# Altium PCB PCB - Assignment 1.PcbDoc (part 2 of 2)
Units mm, origin at the board's own origin, x right, y up, seen from the top; angles counter-clockwise.
Board outline 50 x 50 mm, 4 copper layers (Signal Layer 1, Top GND, Bottom GND, Signal Layer 2), stack 1.586 mm thick; 139 components, 80 nets, 398 pads, 284 vias.
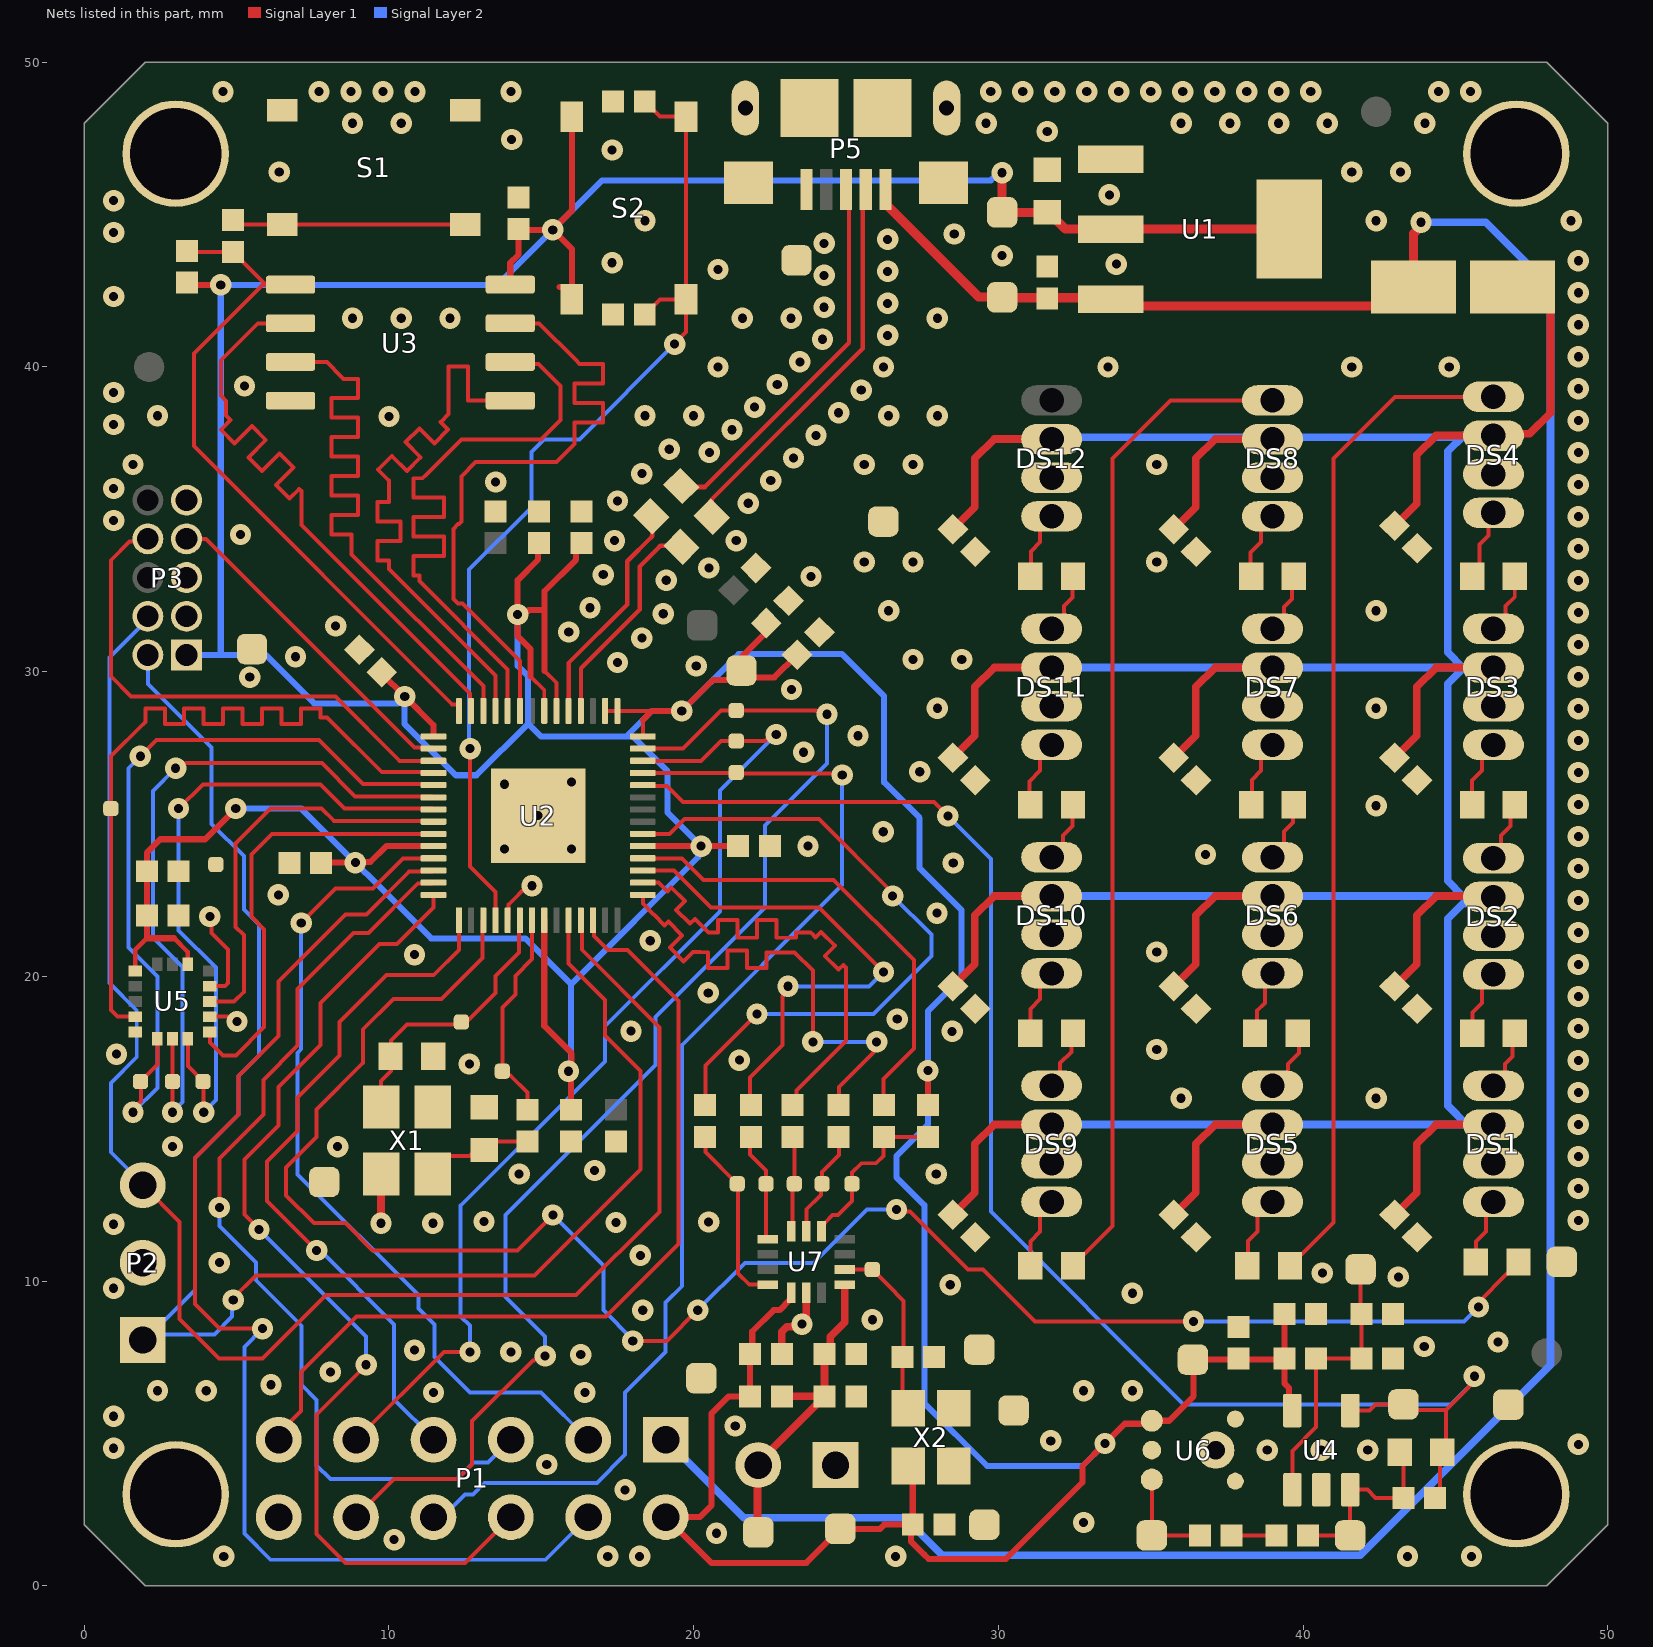
[diagram p4: the nets of this part, all layers, seen from the top]

## Via types
v1: diameter 0.7, hole 0.3, Signal Layer 1 to Signal Layer 2, 284 vias

## Nets (pads, with @x,y where several pads share a name; then routed paths per layer and width w, separated by ;. In a path a pad name is that pad's centre, name@x,y a point inside that pad or via, vN(x,y) a via of type N, cw(c..) or ccw(c..) an arc to the next point about the centre after c; other vN are vias at no path point) (continued)
+3V3: C1.2 C3.2 C4.2 C5.2 C6.2 C7.2 C8.2 C9.2 C10.2 C14.2 C19.2 C20.1 C21.2 C23.2 C24.2 C29.2 P1.2 P3.1 R2.2 R10.2 R17.2 R36.1 S2.A S2.B T2.1 T5.1 T14.1 T25.1 U1.2 U1.4 U2.1 U2.10 U2.22 U2.33 U2.42 U2.43 U2.44 U2.48 U2.49 U3.8 U4.5 U5.1 U5.14 U6.4 U7.5 X2.4 | length 245.3
  Signal Layer 1 w0.131: 14.65,29.847 15.096,29.402 U2.49@15.096,28.71 ; 15.104,30.028 15.496,29.636 U2.48@15.496,28.71 ; U2.44@17.096,28.71 U2.43@17.496,28.71 18.631,28.71 ; U2.42@18.331,27.875 18.331,28.41
  Signal Layer 1 w0.15: U5.1@1.671,20.175 1.671,20.87 2.051,21.25 ; 2.946,21.25 3.388,20.808 U5.14@3.388,20.408
  Signal Layer 1 w0.2: C20.1@2.051,23.428 C21.2@2.051,21.998 2.051,21.25 2.946,21.25 ; C20.1@2.051,23.448 2.051,24.053 2.498,24.5 3.964,24.5 v1(4.971,25.506) ; R10.2@3.375,42.77 3.45,42.695 v1(4.479,42.695) ; U5.14@3.388,20.408 U5.14@3.396,20.4 ; C5.2@7.77,23.723 7.777,23.731 v1(8.895,23.731) 8.917,23.753 9.392,23.753 9.914,24.275 U2.10@11.461,24.275 ; C4.2@9.763,29.982 9.763,29.937 v1(10.515,29.186) 11.461,28.24 U2.1@11.461,27.875 ; U3.8@13.98,42.705 13.98,43.42 14.25,43.69 C14.2@14.25,44.53 14.28,44.5 v1(15.375,44.5) ; v1@14.221,31.953 14.221,33.007 14.891,33.677 14.891,34.186 C10.2@14.925,34.22 ; 14.65,29.847 14.65,30.74 14.221,31.169 v1(14.221,31.874) 14.316,31.969 14.537,31.969 14.588,32.02 15.104,32.02 ; U2.22@15.096,21.84 15.096,20.925 15.096,18.371 15.996,17.471 v1@15.996,16.885 ; 15.104,30.028 15.104,32.02 ; 15.6,42.62 15.725,42.62 S2.A@16,42.345 ; v1(15.893,16.885) v1@15.996,16.885 ; C6.2@15.978,15.621 15.978,16.8 15.996,16.817 v1@15.996,16.885 ; S2.A@16,42.22 S2.A@16,42.345 ; S2.B@16,48.22 16,45.125 v1(15.375,44.5) ; C9.2@16.325,34.22 16.142,34.037 16.142,33.677 15.104,32.638 15.104,32.02 ; U2.33@18.331,24.275 v1(20.246,24.275) C7.2@21.459,24.275 ; 18.331,28.41 18.631,28.71 19.61,28.71 v1(19.611,28.709) 20.635,29.733 21.182,29.733 21.347,29.899 T5.1@21.347,30.26 ; C8.2@22.382,31.295 T5.1@21.347,30.26 ; C8.2@22.382,31.315 C8.2@22.382,31.594 ; U7.5@23.196,9.615 23.156,9.575 23.156,9.377 22.82,9.042 22.623,9.042 21.923,8.343 21.923,7.672 C29.2@21.853,7.602 R36.1@21.853,6.212 21.15,6.212 20.58,5.642 20.58,2.625 20.205,2.25 P1.2@19.08,2.25 20.58,0.75 23.701,0.75 T25.1@24.816,1.865 26.119,1.865 26.257,2.002 C24.2@27.191,2.002 ; C3.2@23.395,30.557 22.652,29.814 21.793,29.814 T5.1@21.57,30.037 T5.1@21.347,30.26 ; X2.4@27.036,3.927 27.191,3.772 C24.2@27.191,2.002 ; R2.2@27.688,15.772 v1(27.688,16.905) ; C23.2@39.386,8.924 R17.2@39.386,7.451 ; U4.5@39.65,5.749 39.545,5.854 39.545,6.482 39.386,6.64 R17.2@39.386,7.451 ; v1(15.375,44.5) 16,43.875 S2.A@16,42.345 ; C24.2@27.191,2.002 27.13,1.942 27.13,1.459 27.567,1.022 27.715,0.875 30.25,0.875 32.763,3.388 32.763,3.927 v1(33.5,4.665) 34.15,5.315 34.938,5.315 U6.4@35.038,5.414 35.603,5.414 36.408,6.219 36.408,7.401 T14.1@36.388,7.421 37.888,7.421 39.356,7.421 R17.2@39.386,7.451
  Signal Layer 1 w0.3: v1(30.125,46.375) T2.1@30.125,45.075 C1.2@31.605,45.075 31.655,45.075 32.205,44.525 U1.2@33.695,44.525 U1.4@39.555,44.525
  Signal Layer 2 w0.2: P3.1@3.355,30.548 4.426,30.548 ; v1(4.971,25.506) 7.119,25.506 11.38,21.245 14.479,21.245 15.978,19.745 ; v1(14.221,31.874) 14.221,30.188 14.565,29.844 14.565,28.294 ; v1(15.893,16.885) 15.978,16.97 15.978,19.745 ; v1(30.125,46.375) 30.008,46.375 29.758,46.125 17,46.125 v1(15.375,44.5) 13.57,42.695 v1(4.479,42.695) 4.479,30.6 4.426,30.548 ; v1(33.5,4.665) 32.763,3.927 29.629,3.927 27.571,5.986 27.571,12.487 26.656,13.402 26.656,14.102 27.688,15.135 v1(27.688,16.905) 27.688,18.853 28.787,19.952 28.787,22.181 27.419,23.549 27.419,25.2 26.25,26.369 26.25,29.2 24.875,30.575 21.477,30.575 v1(19.611,28.709) 18.63,28.709 17.796,27.875 ; 4.426,30.548 5.959,30.548 7.547,28.96 10.289,28.96 v1(10.515,29.186) 10.515,28.281 12.196,26.6 12.871,26.6 14.565,28.294 ; 14.565,28.294 14.984,27.875 17.796,27.875 ; 15.978,19.745 20.15,23.917 20.15,24.179 v1(20.246,24.275) 19.146,25.375 19.146,26.725 17.996,27.875 17.796,27.875
+4V3: C30.2 C31.2 C32.2 C33.2 C34.2 C35.2 C36.2 C37.2 C38.2 C39.2 C40.2 C41.2 D1.1 DS1.2 DS2.2 DS3.2 DS4.2 DS5.2 DS6.2 DS7.2 DS8.2 DS9.2 DS10.2 DS11.2 DS12.2 | length 154.2
  Signal Layer 1 w0.25: C32.2@28.507,12.172 29.232,12.897 29.232,14.5 29.867,15.135 DS9.2@31.75,15.135 ; C31.2@28.507,19.672 29.232,20.397 29.232,22 29.867,22.635 DS10.2@31.75,22.635 ; C30.2@28.507,27.172 29.232,27.897 29.232,29.5 29.867,30.135 DS11.2@31.75,30.135 ; C41.2@28.507,34.672 29.232,35.397 29.232,37 29.867,37.635 DS12.2@31.75,37.635 ; C36.2@35.757,12.172 36.482,12.897 36.482,14.5 37.117,15.135 DS5.2@39,15.135 ; C35.2@35.757,19.672 36.482,20.397 36.482,22 37.117,22.635 DS6.2@39,22.635 ; C34.2@35.757,27.172 36.482,27.897 36.482,29.5 37.117,30.135 DS7.2@39,30.135 ; C33.2@35.757,34.672 36.482,35.397 36.482,37 37.117,37.635 DS8.2@39,37.635 ; C40.2@43.007,12.172 43.732,12.897 43.732,14.5 44.367,15.135 DS1.2@46.25,15.135 ; C39.2@43.007,19.672 43.732,20.397 43.732,22 44.367,22.635 DS2.2@46.25,22.635 ; C38.2@43.007,27.172 43.732,27.897 43.732,29.5 44.367,30.135 DS3.2@46.25,30.135 ; C37.2@43.007,34.787 43.732,35.512 43.732,37.115 44.367,37.75 DS4.2@46.25,37.75 46.304,37.804 47.434,37.804 48.125,38.495 48.125,41.9 47.4,42.625 D1.1@46.875,42.625
  Signal Layer 2 w0.25: DS9.2@31.75,15.135 DS5.2@39,15.135 DS1.2@45.375,15.135 ; DS10.2@31.75,22.635 DS6.2@39,22.635 45.25,22.635 ; DS11.2@31.75,30.135 DS7.2@39,30.135 45.279,30.135 44.75,29.606 44.75,23.135 45.25,22.635 ; DS12.2@31.75,37.635 31.807,37.692 39,37.692 45.269,37.692 DS4.2@45.853,37.692 ; DS4.2@45.269,37.75 44.75,37.231 44.75,30.635 45.25,30.135 45.853,30.135 DS3.2@46.25,30.135 ; DS4.2@45.853,37.75 DS4.2@46.25,37.75 ; DS1.2@46.25,15.135 45.853,15.135 DS1.2@45.375,15.135 ; DS2.2@46.25,22.635 45.853,22.635 DS2.2@45.5,22.635 ; 45.25,22.635 DS2.2@45.5,22.635 ; DS1.2@45.375,15.135 44.75,15.76 44.75,21.885 45.256,22.391 45.303,22.391 45.5,22.588 DS2.2@45.5,22.635
+5V: C2.2 D1.2 P1.1 P5.1 T1.1 U1.3 | length 95.4
  Signal Layer 1 w0.3: P5.1@26.3,45.825 26.35,45.775 26.35,45.3 29.351,42.299 30.101,42.299 30.125,42.275 33.645,42.275 33.92,42 43,42 D1.2@43.625,42.625 43.625,44.379 43.875,44.629 v1(43.875,44.75)
  Signal Layer 2 w0.25: P1.1@19.08,4.79 21.643,2.227 26.931,2.227 28.154,1.004 41.879,1.004 48.125,7.25 48.125,42.625 46,44.75 v1(43.875,44.75)
ADC1: P1.8 T9.1 U2.39 | length 39
  Signal Layer 1 w0.131: U2.39@18.331,26.675 T9.1@21.396,26.675 ; T9.1@21.396,26.69 21.436,26.65 24.835,26.65 v1(24.875,26.61)
  Signal Layer 2 w0.131: P1.8@11.46,2.25 11.722,2.512 12.012,2.512 12.5,3 12.751,3 13.126,3.375 16.823,3.375 17.75,4.302 17.75,6.342 19.08,7.672 19.08,9.295 19.625,9.84 19.625,17.75 24.875,23 v1(24.875,26.61)
ADC2: P1.9 T10.1 U2.40 | length 34.4
  Signal Layer 1 w0.131: P1.9@8.92,4.79 11.802,7.672 v1(12.659,7.672) ; U2.40@18.331,27.075 20.246,27.075 20.896,27.725 T10.1@21.396,27.725 22.341,27.725 22.555,27.938 v1(22.709,27.938)
  Signal Layer 2 w0.131: v1(12.659,7.672) 12.659,8.534 12.354,8.839 12.354,12.47 17.091,17.208 17.091,18.361 20.864,22.135 20.864,26.094 v1(22.709,27.938)
ADC3: P1.10 T11.1 U2.41 | length 41.8
  Signal Layer 1 w0.131: P1.10@8.92,2.25 10.17,3.5 12.25,3.5 12.73,3.98 12.73,5.399 14.724,7.392 14.764,7.392 14.803,7.432 15.016,7.432 v1(15.125,7.541) ; U2.41@18.331,27.475 19.646,27.475 20.896,28.725 T11.1@21.396,28.725 24.014,28.725 24.03,28.709 24.266,28.709 v1(24.375,28.6)
  Signal Layer 2 w0.131: v1(15.125,7.541) 15.125,8.178 13.828,9.475 13.828,12.168 18.75,17.089 18.75,18.66 22.345,22.255 22.345,24.955 24.375,26.985 v1(24.375,28.6)
CLOCK: C25.2 T28.1 U7.9 X2.3 | length 5.9
  Signal Layer 1 w0.131: U7.9@24.958,10.377 T28.1@25.864,10.377 26.377,9.864 26.891,9.351 C25.2@26.891,7.602 ; C25.2@26.855,7.5 26.855,6.008 X2.3@27.036,5.827
GND: C1.1 C2.1 C3.1 C4.1 C5.1 C6.1 C7.1 C8.1 C9.1 C10.1 C11.2 C12.1 C13.1 C14.1 C15.1 C16.1 C19.1 C20.2 C21.1 C22.1 C23.1 C24.1 C25.1 C26.1 C27.1 C28.1 C29.1 C30.1 C31.1 C32.1 C33.1 C34.1 C35.1 C36.1 C37.1 C38.1 C39.1 C40.1 C41.1 DS1.3 DS2.3 DS3.3 DS4.3 DS5.3 DS6.3 DS7.3 DS8.3 DS9.3 DS10.3 DS11.3 DS12.3 P1.12 P2.2 P3.3 P3.5 P3.9 P4.1 P5.5 P5.S1 P5.S2 P5.S3 P5.S4 P5.S5 P5.S6 pad.1 pad.2 pad.3 pad.4 R18.1 R20.1 S1.A S1.B T3.1 T4.1 T12.1 T17.1 T23.1 T27.1 T34.1 T35.1 T36.1 T37.1 T38.1 U1.1 U2.19 U2.57 U3.4 U4.2 U5.5 U5.10 U5.12 U6.2 U6.3 U6.5 U6.6 U7.6 X1.2 X1.4 X2.1 X2.2 | length 10.1
  Signal Layer 1 w0.131: U5.10@4.121,18.675 4.703,18.675 4.859,18.519 v1(5.013,18.519) ; U5.12@4.121,19.675 4.614,19.675 4.721,19.782 4.721,20.875 4.179,21.416 4.179,21.904 v1(4.121,21.963) ; U2.19@13.896,21.84 13.93,21.874 13.93,22.355 14.55,22.975 v1(14.696,22.975)
  Signal Layer 1 w0.25: X1.4@9.489,13.26 X1.4@9.739,13.51 v1(9.739,11.897) ; C29.1@22.893,7.602 22.893,8.337 23.056,8.499 23.469,8.499 v1(23.555,8.586) 23.555,8.707 23.695,8.847 U7.6@23.695,9.615
  other v1: 4.578,0.961 17.178,0.961 18.228,0.961 26.628,0.961 43.428,0.961 45.528,0.961 10.17,1.51 20.75,1.72 32.8,2.076 17.75,3.144 15.179,3.98 38.825,4.449 40.6,4.449 42.125,4.449 0.961,4.512 49.039,4.638 31.718,4.754 21.366,5.242 0.961,5.562 11.46,6.342 16.428,6.342 2.4,6.4 4,6.4 32.8,6.4 34.4,6.4 6.125,6.595 8.077,7.011 16.292,7.584 14,7.672 10.839,7.731 43.978,7.851 46.4,8 25.864,8.727 18.33,9.042 34.4,9.6 0.961,9.762 28.421,9.877 43.129,10.134 40.636,10.265 4.432,10.604 18.25,10.841 0.961,11.862 11.439,11.897 17.451,11.92 20.491,11.937 13.118,11.953 49.039,11.988 49.039,13.038 14.271,13.51 27.963,13.511 16.75,13.625 49.039,14.088 2.896,14.414 8.315,14.41 49.039,15.138 36,16 42.4,16 49.039,16.188 12.639,17.124 21.5,17.25 49.039,17.238 1.053,17.445 35.2,17.6 28.483,18.193 17.943,18.202 49.039,18.288 26.68,18.594 49.039,19.338 20.481,19.458 49.039,20.388 10.839,20.712 35.2,20.8 18.577,21.17 49.039,21.438 27.988,22.074 49.039,22.488 6.37,22.675 49.039,23.538 28.518,23.722 36.8,24 13.796,24.175 15.996,24.175 23.75,24.275 49.039,24.588 26.221,24.747 14.896,25.275 42.4,25.6 49.039,25.638 13.796,26.306 15.996,26.375 49.039,26.688 27.419,26.716 23.61,27.356 49.039,27.738 25.393,27.897 49.039,28.788 28,28.8 42.4,28.8 23.211,29.416 5.428,29.82 49.039,29.838 20.086,30.189 17.5,30.3 27.2,30.4 28.8,30.4 6.934,30.491 49.039,30.888 18.3,31.1 15.9,31.3 8.25,31.5 19,31.9 49.039,31.938 26.4,32 42.4,32 16.6,32.1 19.1,33 49.039,32.988 23.851,33.125 17.033,33.186 20.5,33.4 25.6,33.6 27.2,33.6 35.2,33.6 49.039,34.038 17.4,34.3 21.4,34.3 5.125,34.5 0.961,34.962 49.039,35.088 21.79,35.528 17.5,35.6 0.961,36.012 49.039,36.138 13.5,36.227 22.532,36.27 18.3,36.5 1.6,36.8 25.6,36.8 27.2,36.8 35.2,36.8 23.275,37.013 20.515,37.198 49.039,37.188 19.2,37.3 24.017,37.755 21.257,37.94 0.961,38.112 49.039,38.238 10,38.375 2.4,38.4 18.4,38.4 20,38.4 26.4,38.4 28,38.4 24.76,38.498 22,38.683 0.961,39.162 25.502,39.24 49.039,39.288 5.26,39.375 22.742,39.425 20.8,40 26.229,39.998 33.6,40 41.6,40 44.8,40 23.485,40.168 49.039,40.338 24.227,40.91 26.366,41.039 49.039,41.388 8.8,41.6 10.4,41.6 12,41.6 21.6,41.6 23.2,41.6 28,41.6 24.284,41.959 26.366,42.089 0.961,42.312 49.039,42.438 24.284,43.009 26.366,43.139 20.8,43.2 33.875,43.375 17.325,43.42 49.039,43.488 30.125,43.655 24.284,44.059 26.366,44.189 28.554,44.366 0.961,44.412 18.4,44.8 42.4,44.8 48.8,44.8 0.961,45.462 33.645,45.649 6.4,46.4 41.6,46.4 43.2,46.4 17.325,47.125 14.025,47.47 31.605,47.732 8.8,48 10.4,48 29.6,48 36,48 37.6,48 39.2,48 40.8,48 44,48 4.552,49.039 7.702,49.039 8.752,49.039 9.802,49.039 10.852,49.039 14.002,49.039 29.752,49.039 30.802,49.039 31.852,49.039 32.902,49.039 33.952,49.039 35.002,49.039 36.052,49.039 37.102,49.039 38.152,49.039 39.202,49.039 40.252,49.039 44.452,49.039 45.502,49.039
GPIO12: P1.7 U2.15 | length 22.9
  Signal Layer 1 w0.131: v1(7.625,11) 6,12.625 6,13.916 7,14.916 7,16.024 8.375,17.399 8.375,18.501 9.919,20.045 11.469,20.045 12.296,20.872 U2.15@12.296,21.84
  Signal Layer 2 w0.131: v1(7.625,11) 7.75,11 10.17,8.58 10.17,6.112 P1.7@11.458,4.823
IMU1_CS: T20.1 U2.7 U5.8 | length 22.3
  Signal Layer 1 w0.131: v1(3.091,25.506) 3.888,26.304 7.745,26.304 8.543,25.506 11.429,25.506 U2.7@11.461,25.475 ; U5.8@3.396,17.95 3.396,17.05 3.908,16.538 3.908,15.552 v1(3.919,15.54)
  Signal Layer 2 w0.131: v1(3.091,25.506) 3.091,21.51 4.317,20.284 4.317,15.937 v1(3.919,15.54)
IMU1_INT1: U2.8 U5.11 | length 13.4
  Signal Layer 1 w0.131: U5.11@4.121,19.175 4.915,19.175 5.234,19.494 5.234,21.357 4.969,21.622 4.969,24.358 6.117,25.506 7.791,25.506 8.191,25.106 11.429,25.106 U2.8@11.461,25.075
IMU1_INT2: U2.9 U5.9 | length 14.8
  Signal Layer 1 w0.131: U5.9@4.121,18.175 4.121,17.825 4.547,17.399 4.971,17.399 5.904,18.331 5.904,21.54 5.484,21.959 5.484,23.992 6.167,24.675 U2.9@11.461,24.675
IMU1_MISO: T21.1 U2.6 U5.7 | length 23.5
  Signal Layer 1 w0.131: v1(2.896,15.541) U5.7@2.896,17.95 ; v1(2.996,26.83) 3.15,26.83 3.32,27 7.794,27 8.888,25.906 11.429,25.906 U2.6@11.461,25.875
  Signal Layer 2 w0.131: v1(2.896,15.541) 2.896,15.555 3.221,15.88 3.221,20.3 2.25,21.271 2.25,26.084 v1(2.996,26.83)
IMU1_MOSI: T18.1 U2.5 U5.6 | length 25.8
  Signal Layer 1 w0.131: v1(1.596,15.54) 1.596,15.636 1.861,15.901 1.861,16.535 T18.1@1.846,16.55 2.396,17.1 U5.6@2.396,17.95 ; v1(1.841,27.225) 2.366,27.75 7.704,27.75 9.148,26.306 11.429,26.306 U2.5@11.461,26.275
  Signal Layer 2 w0.131: v1@1.597,15.541 2.396,16.34 2.396,20 1.446,20.95 1.446,26.83 v1(1.841,27.225)
IMU1_SCLK: T13.1 U2.4 U5.4 | length 25.8
  Signal Layer 1 w0.131: U5.4@1.671,18.675 1.084,18.675 0.871,18.888 0.871,25.805 0.871,26.165 0.871,27.225 1.936,28.29 2.001,28.356 2.001,28.794 2.64,28.794 2.64,28.287 3.279,28.287 3.279,28.794 3.918,28.794 3.918,28.287 4.557,28.287 4.557,28.794 5.196,28.794 5.196,28.287 5.835,28.287 5.835,28.794 6.474,28.794 6.474,28.287 7.113,28.287 7.113,28.794 7.752,28.794 7.752,28.5 7.969,28.5 8.054,28.415 9.762,26.706 11.429,26.706 U2.4@11.461,26.675
IMU2_CS: R2.1 R6.2 T33.1 U7.12 | length 5.8
  Signal Layer 1 w0.131: U7.12@24.196,11.64 24.196,11.837 24.27,11.912 24.304,11.912 24.552,12.16 24.733,12.16 25.195,12.623 T33.1@25.195,13.191 25.2,13.195 25.2,13.56 25.505,13.865 25.992,13.865 26.229,14.102 26.229,14.732 R2.1@27.688,14.732
IMU2_CS`: R6.1 U2.32 | length 15.5
  Signal Layer 1 w0.131: U2.32@18.331,23.875 19.611,23.875 20.318,23.168 24.589,23.168 27.227,20.529 27.227,17.628 26.229,16.63 R6.1@26.229,15.772
IMU2_INT: R9.2 T26.1 U7.4 | length 6.1
  Signal Layer 1 w0.131: R9.2@20.393,14.732 20.393,14.228 T26.1@21.431,13.191 21.453,13.168 21.453,10.252 21.829,9.877 U7.4@22.434,9.877
IMU2_INT`: R9.1 U2.34 | length 22.2
  Signal Layer 1 w0.131: U2.34@18.331,24.675 19.211,24.675 19.703,25.168 24.107,25.168 26.532,22.743 v1(26.532,22.635) ; R9.1@20.393,15.772 20.393,17.08 v1(22.077,18.764)
  Signal Layer 2 w0.131: v1(22.077,18.764) 25.896,18.764 27.8,20.668 27.8,21.367 v1(26.532,22.635)
IMU2_MISO: R5.2 T30.1 U7.1 | length 3.6
  Signal Layer 1 w0.131: R5.2@21.852,14.732 21.852,14.154 22.373,13.632 T30.1@22.373,13.191 22.373,11.438 U7.1@22.434,11.377
IMU2_MISO`: R5.1 U2.31 | length 17
  Signal Layer 1 w0.131: U2.31@18.331,23.475 19.353,23.475 20.573,22.255 24.117,22.255 v1@26.221,20.152 ; R5.1@21.852,15.772 21.852,16.682 22.911,17.741 22.911,19.331 23.099,19.518 v1(23.099,19.672)
  Signal Layer 2 w0.131: v1(23.099,19.672) 25.759,19.672 v1(26.229,20.143)
IMU2_MOSI: R4.2 T31.1 U7.14 | length 3.1
  Signal Layer 1 w0.131: U7.14@23.196,11.64 23.25,11.694 23.25,13.136 T31.1@23.305,13.191 23.305,14.726 R4.2@23.311,14.732
IMU2_MOSI`: R4.1 U2.30 | length 17.3
  Signal Layer 1 w0.131: U2.30@18.331,23.074 18.851,23.074 19.088,22.838 19.134,22.792 19.264,22.922 19.716,22.47 19.426,22.181 19.878,21.729 20.038,21.888 20.13,21.796 20.176,21.749 20.481,21.445 20.733,21.445 20.799,21.445 20.799,21.85 21.438,21.85 21.438,21.267 22.077,21.267 22.077,21.85 22.716,21.85 22.716,21.267 23.355,21.267 23.355,21.445 23.668,21.445 23.837,21.445 23.911,21.371 23.957,21.325 24.006,21.276 24.186,21.456 24.638,21.004 24.303,20.669 24.755,20.217 24.91,20.373 24.956,20.326 24.995,20.287 24.995,17.87 23.375,16.25 23.375,16.064 23.185,15.875 R4.1@23,15.875
IMU2_Power: C27.2 C28.2 P4.2 R36.2 T29.1 U7.8 | length 10.5
  Signal Layer 1 w0.25: T29.1@22.073,2.002 22.095,2.023 22.095,3.937 P4.2@22.116,3.958 22.116,4.032 C27.2@24.296,6.212 ; R36.2@22.893,6.212 C27.2@24.296,6.212 ; U7.8@24.958,9.877 24.958,8.641 24.482,8.166 24.482,7.789 C28.2@24.296,7.602 C27.2@24.296,6.212
IMU2_SCLK: R3.2 T32.1 U7.13 | length 3.5
  Signal Layer 1 w0.131: U7.13@23.695,11.64 23.695,12.341 24.175,12.821 24.175,13.15 T32.1@24.216,13.191 24.216,13.578 24.77,14.132 R3.2@24.77,14.732
IMU2_SCLK`: R3.1 U2.29 | length 17.1
  Signal Layer 1 w0.131: U2.29@18.331,22.675 18.331,22.39 18.667,22.053 18.714,22.007 19.047,21.673 19.169,21.795 19.621,21.343 19.218,20.941 19.67,20.489 19.973,20.791 20.065,20.791 20.138,20.791 20.203,20.791 20.467,20.791 20.467,20.275 21.106,20.275 21.106,20.854 21.745,20.854 21.745,20.275 22.384,20.275 22.384,20.788 22.461,20.788 22.526,20.788 23.309,20.787 23.911,20.185 v1(23.911,17.85) ; R3.1@24.77,15.772 24.77,16.372 25.895,17.498 25.895,17.741 v1(26.004,17.85)
  Signal Layer 2 w0.131: v1(23.911,17.85) v1(26.004,17.85)
LED_DIN: R13.1 U2.17 | length 61.2
  Signal Layer 1 w0.131: U2.17@13.096,21.84 13.064,21.809 13.064,20.6 11.722,19.258 10.147,19.258 9.139,18.25 9.139,17.149 7.625,15.635 7.625,14.725 6.625,13.725 6.625,12.81 7.538,11.897 8.566,11.897 9.464,11 14.211,11 v1(15.378,12.168) ; v1(18,8.032) 19.123,8.032 v1(20.133,9.042) ; v1(26.656,12.346) 26.724,12.277 27.098,12.277 29,10.375 29.5,10.375 31.201,8.674 v1(36.408,8.674) ; v1(45.763,9.149) 45.763,9.301 46.702,10.241 46.741,10.241 47.075,10.575 R13.1@47.075,10.625
  Signal Layer 2 w0.131: v1(15.378,12.168) 17.036,10.51 17.036,9.042 18,8.078 v1(18,8.032) ; v1(20.133,9.042) 21.682,10.591 23.936,10.591 25.69,12.346 v1(26.656,12.346) ; v1(36.408,8.674) 45.288,8.674 v1(45.763,9.149)
MIC_IN: C17.2 R12.2 T19.1 U2.38 U4.4 | length 50.8
  Signal Layer 1 w0.131: U2.38@18.331,26.275 18.362,26.244 19.127,26.244 19.646,25.725 27.885,25.725 v1(28.345,25.265) ; U4.4@41.55,5.749 42.175,5.749 42.375,5.949 T19.1@43.298,5.949 43.482,5.764 44.7,5.764 ; C17.2@44.338,2.884 44.5,3.046 44.5,4.175 44.7,4.375 44.7,5.764 ; v1(45.625,6.875) 45.625,6.721 45.4,6.496 45.4,6.464 44.7,5.764
  Signal Layer 2 w0.131: v1(28.345,25.265) 29.752,23.858 29.752,12.282 36.085,5.949 44.853,5.949 45.625,6.721 v1(45.625,6.875)
NetC17_1: C17.1 R12.1 R16.2 T16.1 U4.3 | length 6.3
  Signal Layer 1 w0.131: R16.2@40.17,1.649 T16.1@41.55,1.649 U4.3@41.55,3.149 42.11,3.149 42.375,2.884 C17.1@43.298,2.884 R12.1@43.298,4.449
NetC18_1: C18.1 T15.1 U6.1 | length 3.4
  Signal Layer 1 w0.131: U6.1@35.038,3.484 T15.1@35.038,1.649 C18.1@36.618,1.649
NetC18_2: C18.2 R16.1 | length 1.5
  Signal Layer 1 w0.131: C18.2@37.658,1.649 R16.1@39.13,1.649
NetC22_2: C22.2 R17.1 R18.2 T22.1 U4.1 | length 9.1
  Signal Layer 1 w0.131: U4.1@39.65,3.149 39.65,4.428 40.426,5.204 R17.1@40.426,7.451 R18.2@41.918,7.451 C22.2@41.918,8.924 41.888,8.954 T22.1@41.888,10.384
NetDS1_1: DS1.1 R14.1 | length 2
  Signal Layer 1 w0.131: DS1.1@46.25,16.405 46.625,16.78 46.625,17.125 46.876,17.376 46.876,18.051 R14.1@46.95,18.125
NetDS1_4: DS1.4 R13.2 | length 2.2
  Signal Layer 1 w0.131: R13.2@45.675,10.625 45.675,11.3 46,11.625 46,12.345 DS1.4@46.25,12.595
NetDS2_1: DS2.1 R15.1 | length 1.8
  Signal Layer 1 w0.131: DS2.1@46.25,23.905 46.5,24.155 46.5,24.622 46.809,24.93 46.809,25.484 R15.1@46.825,25.5
NetDS2_4: DS2.4 R14.2 | length 2.2
  Signal Layer 1 w0.131: R14.2@45.55,18.125 45.569,18.144 45.569,18.819 45.875,19.125 45.875,19.69 DS2.4@46.25,20.065
NetDS3_1: DS3.1 R19.1 | length 2.1
  Signal Layer 1 w0.131: DS3.1@46.25,31.405 46.349,31.405 46.65,31.706 46.65,32.15 46.95,32.45 R19.1@46.95,33.125
NetDS3_4: DS3.4 R15.2 | length 2.3
  Signal Layer 1 w0.131: R15.2@45.55,25.625 45.55,26.425 45.875,26.75 45.875,27.22 DS3.4@46.25,27.595
NetDS4_1: DS4.1 R21.1 | length 33.2
  Signal Layer 1 w0.131: R21.1@39.575,10.5 39.575,10.55 39.91,10.884 39.96,10.884 41,11.925 41,37 43.02,39.02 DS4.1@46.25,39.02
NetDS4_4: DS4.4 R19.2 | length 2
  Signal Layer 1 w0.131: R19.2@45.8,33.375 45.8,34.175 46.09,34.465 46.09,35.059 DS4.4@46.242,35.21
NetDS5_1: DS5.1 R22.1 | length 2.2
  Signal Layer 1 w0.131: DS5.1@39,16.405 39.099,16.405 39.5,16.806 39.5,17.125 39.863,17.488 39.863,18.087 R22.1@39.825,18.125
NetDS5_4: DS5.4 R21.2 | length 2.5
  Signal Layer 1 w0.131: R21.2@38.175,10.5 38.195,10.52 38.195,11.32 38.5,11.625 38.5,12.194 38.901,12.595 DS5.4@39,12.595
NetDS6_1: DS6.1 R23.1 | length 2.1
  Signal Layer 1 w0.131: DS6.1@39,23.905 39.375,24.28 39.375,24.75 39.67,25.045 39.67,25.72 R23.1@39.7,25.75
NetDS6_4: DS6.4 R22.2 | length 2.2
  Signal Layer 1 w0.131: R22.2@38.48,18.125 38.498,18.143 38.498,18.873 38.75,19.125 38.75,19.845 DS6.4@39,20.095
NetDS7_1: DS7.1 R24.1 | length 2
  Signal Layer 1 w0.131: DS7.1@39,31.405 39.375,31.78 39.375,32.125 39.633,32.383 39.633,33.058 R24.1@39.7,33.125
NetDS7_4: DS7.4 R23.2 | length 2.1
  Signal Layer 1 w0.131: R23.2@38.3,25.75 38.32,25.77 38.32,26.445 38.625,26.75 38.625,27.22 DS7.4@39,27.595
NetDS8_1: DS8.1 R25.1 | length 33.1
  Signal Layer 1 w0.131: R25.1@32.45,10.5 32.45,10.55 32.785,10.884 32.835,10.884 33.75,11.8 33.75,37 35.655,38.905 DS8.1@39,38.905
NetDS8_4: DS8.4 R24.2 | length 2.3
  Signal Layer 1 w0.131: R24.2@38.3,33.125 38.279,33.146 38.279,33.904 38.625,34.25 38.625,34.72 DS8.4@39,35.095
NetDS9_1: DS9.1 R26.1 | length 2
  Signal Layer 1 w0.131: DS9.1@31.75,16.405 32.025,16.68 32.025,17.15 32.394,17.519 32.394,18.069 R26.1@32.45,18.125
NetDS9_4: DS9.4 R25.2 | length 2.4
  Signal Layer 1 w0.131: R25.2@31.05,10.5 31.05,11.3 31.375,11.625 31.375,12.22 DS9.4@31.75,12.595
NetDS10_1: DS10.1 R27.1 | length 2
  Signal Layer 1 w0.131: DS10.1@31.75,23.905 32.125,24.28 32.125,24.625 32.43,24.93 32.43,25.605 R27.1@32.45,25.625
NetDS10_4: DS10.4 R26.2 | length 2.3
  Signal Layer 1 w0.131: R26.2@31.05,18.125 31.05,18.925 31.375,19.25 31.375,19.72 DS10.4@31.75,20.095
NetDS11_1: DS11.1 R28.1 | length 2
  Signal Layer 1 w0.131: DS11.1@31.75,31.405 32.15,31.805 32.15,32.15 32.442,32.442 32.442,33.117 R28.1@32.45,33.125
NetDS11_4: DS11.4 R27.2 | length 2.3
  Signal Layer 1 w0.131: R27.2@31.05,25.625 31.021,25.654 31.021,26.396 31.375,26.75 31.375,27.22 DS11.4@31.75,27.595
NetDS12_4: DS12.4 R28.2 | length 2.3
  Signal Layer 1 w0.131: R28.2@31.05,33.125 31.07,33.145 31.07,33.945 31.375,34.25 31.375,34.72 DS12.4@31.75,35.095
NetR11_1: R11.1 S1.C S1.D | length 7.7
  Signal Layer 1 w0.131: R11.1@4.875,44.82 5.02,44.675 S1.C@6.5,44.675 S1.D@12.5,44.675
QSPI_CLK: U2.52 U3.6 | length 21.8
  Signal Layer 1 w0.131: U2.52@13.896,28.71 13.896,30.073 11,32.969 11,33.088 11,33.153 10.802,33.153 10.802,33.792 11.813,33.792 11.813,34.431 10.802,34.431 10.802,35.07 11.813,35.07 11.813,35.709 10.802,35.709 10.802,36.348 11.098,36.348 11.209,36.459 12.375,37.625 14.99,37.625 15.625,38.26 15.625,39.38 14.905,40.1 14.045,40.1 U3.6@13.98,40.165
QSPI_CS: R10.1 R11.2 U2.56 U3.1 | length 22.6
  Signal Layer 1 w0.131: R10.1@3.375,43.81 3.405,43.78 R11.2@4.875,43.78 ; R11.2@4.875,43.774 4.881,43.774 5.169,43.486 5.169,43.48 5.944,42.705 U3.1@6.77,42.705 ; 5.944,42.695 5.845,42.695 3.6,40.45 3.6,37.406 12.076,28.93 12.261,28.93 12.296,28.895 U2.56@12.296,28.71
QSPI_SD0: U2.53 U3.5 | length 21.9
  Signal Layer 1 w0.131: U2.53@13.496,28.71 13.496,29.875 10,33.371 10,33.582 10,33.647 9.623,33.647 9.623,34.286 10.383,34.286 10.383,34.925 9.623,34.925 9.623,35.564 10,35.564 10,36.134 10,36.174 10,36.267 9.639,36.628 10.091,37.08 10.585,36.586 11.036,37.038 10.543,37.531 10.994,37.983 11.488,37.489 11.94,37.941 11.691,38.191 11.765,38.265 11.886,38.386 11.952,38.452 11.952,40.015 12.591,40.015 12.591,38.895 13.015,38.895 U3.5@13.98,38.895
QSPI_SD1: U2.55 U3.2 | length 21.8
  Signal Layer 1 w0.131: U3.2@6.77,41.435 5.692,41.435 4.479,40.221 4.479,39.063 4.65,38.891 4.65,38.401 4.795,38.256 4.479,37.94 4.931,37.488 5.503,38.061 5.955,37.609 5.382,37.036 5.834,36.585 6.407,37.157 6.859,36.705 6.286,36.133 6.738,35.681 7.054,35.997 7.108,35.943 7.125,35.926 7.125,35.867 7.125,34.817 10.347,31.595 12.664,29.277 12.664,28.741 U2.55@12.696,28.71
QSPI_SD2: U2.54 U3.3 | length 21.8
  Signal Layer 1 w0.131: U3.3@6.77,40.165 7.96,40.165 8.446,39.679 8.512,39.613 8.976,39.613 8.976,38.974 8.119,38.974 8.119,38.335 8.976,38.335 8.976,37.696 8.119,37.696 8.119,37.057 8.976,37.057 8.976,36.418 8.119,36.418 8.119,35.779 8.976,35.779 8.976,35.14 8.119,35.14 8.119,34.501 8.774,34.501 8.774,33.993 8.774,33.845 13.096,29.523 U2.54@13.096,28.71
QSPI_SD3: U2.51 U3.7 | length 22
  Signal Layer 1 w0.131: U3.7@13.98,41.435 14.924,41.435 16.136,40.223 16.26,40.099 17.021,40.099 17.021,39.46 16.081,39.46 16.081,38.821 17.021,38.821 17.021,38.182 16.081,38.182 16.081,37.543 16.091,37.543 16.091,37.466 16.025,37.4 15.5,36.875 12.838,36.875 12.375,36.412 12.375,34.922 12.298,34.845 12.265,34.845 12.109,34.69 12.109,32.39 12.265,32.234 12.411,32.234 14.296,30.35 U2.51@14.296,28.71
RUN: P1.11 U2.26 | length 28.8
  Signal Layer 1 w0.131: P1.11@6.38,4.79 6.38,5.005 7.107,5.732 7.107,7.011 8.935,8.839 17.129,8.839 19.5,11.21 19.5,19.194 17.827,20.866 17.184,20.866 16.727,21.323 16.727,21.485 16.696,21.517 U2.26@16.696,21.84
RX: P3.7 U2.2 | length 11
  Signal Layer 1 w0.131: P3.7@3.355,34.358 3.989,34.358 10.84,27.506 11.429,27.506 U2.2@11.461,27.475
SW1: C26.2 R20.2 S2.C S2.D U2.18 | length 33.2
  Signal Layer 1 w0.131: v1(12.664,27.475) 12.664,23.606 13.496,22.775 U2.18@13.496,21.84 ; C26.2@18.395,41.72 18.895,42.22 S2.C@19.75,42.22 ; R20.2@18.395,48.72 18.895,48.22 S2.D@19.75,48.22 S2.C@19.75,42.22 ; v1(19.375,40.75) 19.375,40.773 19.75,41.148 S2.C@19.75,42.22
  Signal Layer 2 w0.131: v1@12.631,27.75 12.631,33.351 14.671,35.391 14.671,37.206 15.09,37.625 16.25,37.625 v1(19.375,40.75)
SWCLK: P2.1 P3.2 U2.24 | length 53.2
  Signal Layer 1 w0.131: v1(4.888,9.375) 4.888,9.44 5.636,10.188 14.775,10.188 18.25,13.663 18.25,16.897 17.091,18.056 17.091,19.223 15.896,20.418 U2.24@15.896,21.84
  Signal Layer 2 w0.131: P3.2@2.085,30.548 2.085,29.596 4.177,27.504 4.177,25.005 5.234,23.948 5.234,22.197 5.734,21.697 5.734,17.399 5.057,16.722 5.057,15.468 3.625,14.036 3.625,9.71 P2.1@2.165,8.25 ; P2.1@2.125,8.21 P2.1@2.165,8.25 ; v1(4.888,9.375) 4.853,9.339 4.853,8.828 4.274,8.25 P2.1@2.165,8.25
SWDIO: P2.3 P3.4 U2.25 | length 54.1
  Signal Layer 1 w0.131: P2.3@1.918,13.144 3.125,11.937 3.125,8.75 4.415,7.46 5.85,7.46 7.926,9.536 16.14,9.536 18.875,12.272 18.875,18.327 16.327,20.875 16.327,21.485 16.296,21.517 U2.25@16.296,21.84
  Signal Layer 2 w0.131: P2.3@1.918,13.144 1.918,13.179 0.871,14.226 0.871,16.496 1.721,17.346 1.721,18.882 0.821,19.782 0.821,30.466 P3.4@2.085,31.73
TX: P3.8 U2.3 | length 17.4
  Signal Layer 1 w0.131: P3.8@2.444,34.27 1.484,34.27 0.871,33.657 0.871,29.85 1.535,29.186 8.242,29.186 10.353,27.075 U2.3@11.461,27.075
UART1_CTS: P1.5 U2.13 | length 31
  Signal Layer 1 w0.131: v1(4.432,12.414) 4.432,14.02 5.875,15.463 5.875,16.605 7,17.73 7,19.583 8.837,21.42 9.32,21.42 10.944,23.044 11.429,23.044 U2.13@11.461,23.075
  Signal Layer 2 w0.131: v1(4.432,12.414) 4.432,11.808 5.636,10.604 5.636,10.025 7.13,8.531 7.13,6.595 7.625,6.1 7.625,3.952 8.077,3.5 12.237,3.5 12.777,4.04 13.25,4.04 P1.5@14,4.79
UART1_RTS: P1.6 U2.14 | length 33.6
  Signal Layer 1 w0.131: v1(5.734,11.693) 5.25,12.177 5.25,13.985 6.37,15.105 6.37,16.369 7.75,17.749 7.75,19.118 9.693,21.061 10.262,21.061 11.461,22.26 U2.14@11.461,22.675 ; v1(9.25,7.25) 9.25,7.235 7.625,5.61 7.625,1.702 8.577,0.75 12.5,0.75 P1.6@14,2.25
  Signal Layer 2 w0.131: v1(5.734,11.693) 9.25,8.177 v1(9.25,7.25)
UART1_RX: P1.4 U2.12 | length 40.1
  Signal Layer 1 w0.131: v1(5.85,8.438) 4.432,8.438 3.625,9.245 3.625,14.036 5.057,15.468 5.057,16.722 6.37,18.034 6.37,19.835 8.569,22.034 9.255,22.034 10.664,23.444 11.429,23.444 U2.12@11.461,23.475
  Signal Layer 2 w0.131: v1(5.85,8.438) 5.25,7.838 5.25,1.713 6.112,0.851 15.141,0.851 P1.4@16.54,2.25
UART1_TX: P1.3 U2.11 | length 27.5
  Signal Layer 1 w0.131: v1(7.119,21.748) 8.249,22.879 9.469,22.879 10.465,23.875 U2.11@11.461,23.875
  Signal Layer 2 w0.131: v1(7.119,21.748) 7.119,17.607 7,17.488 7,13.5 10.964,9.536 10.964,9.105 11.489,8.58 11.489,7.512 12.659,6.342 14.988,6.342 P1.3@16.54,4.79
USB_N: P5.2 R1.1 | length 12.9
  Signal Layer 1 w0.14: R1.1@20.59,35.648 25.552,40.61 25.552,45.727 P5.2@25.65,45.825
  Signal Layer 1 w0.152: R1.1@20.59,35.09 20.555,35.125 20.555,35.583 20.59,35.619 R1.1@20.59,35.648
USB_P: P5.3 R8.1 | length 12.5
  Signal Layer 1 w0.14: 20.395,36.095 25.098,40.798 25.098,45.727 P5.3@25,45.825
  Signal Layer 1 w0.152: R8.1@19.595,36.095 19.63,36.06 20.36,36.06 20.395,36.095
USB_X_N: R1.2 U2.46 | length 7.2
  Signal Layer 1 w0.14: U2.46@16.296,28.71 16.302,28.716 16.302,30.114 18.228,32.04 18.228,33.453 18.875,34.1
  Signal Layer 1 w0.152: 18.875,34.1 18.91,34.135 19.565,34.135 R1.2@19.6,34.1
USB_X_P: R8.2 U2.47 | length 7.5
  Signal Layer 1 w0.14: U2.47@15.896,28.71 15.896,30.282 17.822,32.208 17.822,32.878 17.822,33.153 17.822,33.622 18.605,34.405
  Signal Layer 1 w0.152: 18.605,34.405 18.64,34.44 18.64,35.07 R8.2@18.605,35.105
XIN: C16.2 T8.1 U2.20 X1.3 | length 9.1
  Signal Layer 1 w0.131: X1.3@9.739,15.71 9.739,16.559 10.069,16.889 10.069,17.399 10.069,17.892 10.591,18.415 12.46,18.415 13.496,19.45 13.496,20.018 14.264,20.787 14.264,21.485 14.296,21.517 U2.20@14.296,21.84
XOUT: R7.1 T7.1 U2.21 | length 7
  Signal Layer 1 w0.131: R7.1@14.546,15.62 14.546,16.183 13.991,16.737 13.898,16.737 13.718,16.917 13.718,18.97 14.146,19.398 14.146,20.018 14.696,20.568 U2.21@14.696,21.84
XOUT`: C15.2 R7.2 X1.1 | length 3.6
  Signal Layer 1 w0.131: X1.1@11.439,13.51 11.439,13.566 11.973,14.1 12.639,14.1 13.118,14.58 R7.2@14.546,14.58
pads on no net: DS12.1 F1.F? F2.F? F3.F? P3.6 P3.10 P5.4 U2.16 U2.27 U2.28 U2.35 U2.36 U2.37 U5.2 U5.3 U5.13 U5.15 U5.16 U7.2 U7.3 U7.7 U7.10 U7.11

## Polygon pours and split planes (outlines as drawn)
GND on Signal Layer 1 "Top Pour" (solid, pour order 0): 0,2 2,0 48,0 50,2 50,48 48,50 2,50 0,48
GND on Signal Layer 1 "NONET_L01_P-001" (solid, pour order 17): 10.749,17.759 10.749,17.039 10.839,15.01 12.508,15.01 12.758,15.26 13.478,15.26 13.478,15.98 13.196,16.263 13.196,17.759
GND on Signal Layer 1 "GND_L01_P016" (solid, pour order 16): 10.339,14.21 9.139,14.21 9.139,14.286 8.505,14.92 8.125,14.92 8.125,14.114 7.625,13.614 7.625,13.01 7.875,12.76 7.925,12.81 9.139,12.81 9.139,12.018 9.657,11.5 11.489,11.5 11.489,12.11 11.344,12.255 10.429,12.255 10.429,12.72 10.339,12.81
GND on Signal Layer 1 "Misc5" (solid, pour order 15): 5.506,39.717 6.059,39.164 7.554,39.164 7.554,37.057 6.859,37.057 6.859,37.275 4.948,39.185 4.963,39.2 4.963,39.717
GND on Signal Layer 1 "Misc4" (solid, pour order 13): 22.139,24.635 23.885,24.635 24.186,24.334 24.186,24.179 24.161,24.179 23.857,23.875 23.817,23.915 22.139,23.915
GND on Signal Layer 1 "Misc3" (solid, pour order 12): 7.09,24.083 6.065,24.083 5.734,23.753 5.734,22.309 6.799,22.309 7.09,22.6
GND on Signal Layer 1 "Misc2" (solid, pour order 11): 2.731,23.848 2.731,21.638 3.451,21.638 4.346,20.743 4.346,19.85 3.938,19.85 3.919,19.831 3.919,19.518 4.322,19.518 4.322,19.519 4.971,19.519 4.971,21.25 4.596,21.625 4.596,22.353 4.596,23.848
GND on Signal Layer 1 "Misc1" (solid, pour order 9): 13.478,15.98 12.469,15.98 12.039,16.41 10.839,16.41 10.839,15.01 12.039,15.01 12.758,15.26 13.478,15.26
GND on Signal Layer 2 "Bottom Pour" (solid, pour order 3): 0,2 2,0 48,0 50,2 50,48 48,50 2,50 0,48
GND on Bottom GND "Bot GND" (solid, pour order 2): 0,2 2,0 48,0 50,2 50,48 48,50 2,50 0,48
GND on Top GND "Top GND" (solid, pour order 1): 0,2 2,0 48,0 50,2 50,48 48,50 2,50 0,48

## Keep-outs
Keep-Out Layer:
  lines w0.6: 0,48 0,2 2,0 48,0 50,2 50,48 48,50 2,50 0,48 ; 0,48 0,48

## Silkscreen, mask and mechanical layers (free items; w line width, h text height)
Top Overlay:
  drawing of 145 lines, arcs and shapes, not listed
  text "BOOT" at 1.402,44.973 h1 r270
  text "3V3" at 26.75,41.841 h1 r45
  text "5V" at 28.25,41.341 h1 r45
  text "+" at 28.118,39.723 h1 r45
  text "+" at 35.243,39.723 h1 r45
  text "+" at 42.493,39.723 h1 r45
  text "USR" at 15.652,39.652 h1
  text "XA" at 28.5,38.591 h1 r45
  text "YA" at 35.625,38.591 h1 r45
  text "ZA" at 42.875,38.591 h1 r45
  text "1V1" at 22.5,34.341 h1 r45
  text "3V3" at 23.5,33.341 h1 r45
  text "-" at 28.353,32.237 h1 r45
  text "-" at 35.478,32.237 h1 r45
  text "-" at 42.728,32.237 h1 r45
  text "XA" at 28.5,31.091 h1 r45
  text "YA" at 35.625,31.091 h1 r45
  text "ZA" at 42.875,31.091 h1 r45
  text "ADC" at 24.027,27.402 h1
  text "+" at 28.118,24.723 h1 r45
  text "+" at 35.243,24.723 h1 r45
  text "+" at 42.493,24.723 h1 r45
  text "XG" at 28.5,23.591 h1 r45
  text "YG" at 35.625,23.591 h1 r45
  text "ZG" at 42.875,23.591 h1 r45
  text "IMU1" at 4.875,19.5 h1
  text "12.5MHz" at 13,19.125 h1
  text "XIN" at 9.152,18.402 h1
  text "CS" at 26.598,18.277 h1 r90
  text "INT" at 20.973,18.152 h1 r90
  text "MISO" at 22.473,18.152 h1 r90
  text "MOSI" at 23.848,18.152 h1 r90
  text "SCLK" at 25.223,18.152 h1 r90
  text "XOUT" at 14.152,17.652 h1
  text "-" at 28.353,17.112 h1 r45
  text "-" at 35.478,17.112 h1 r45
  text "-" at 42.728,17.112 h1 r45
  text "XG" at 28.625,16.091 h1 r45
  text "YG" at 35.625,16.091 h1 r45
  text "ZG" at 42.875,16.091 h1 r45
  text "MOSI" at 5.723,14.777 h1 r90
  text "MISO" at 7.098,14.777 h1 r90
  text "CS" at 8.473,14.777 h1 r90
  text "IMU2" at 18.125,9.5 h1
  text "32.687kHz" at 26.5,8.5 h1
  text "1" at 3.652,7.527 h1
  text "3V3" at 32.652,7.152 h1
  text "`" at 23.652,1.528 h1
Bottom Overlay:
  drawing of 39 lines, arcs and shapes, not listed
Top Solder Mask:
  circle w1.6: c47,3 r0.8
  circle w1.6: c47,47 r0.8
  circle w1.6: c3,47 r0.8
  circle w1.6: c3,3 r0.8
  rectangle: 23.5,45.15 26.5,46.5
Bottom Solder Mask:
  circle w1.6: c47,3 r0.8
  circle w1.6: c47,47 r0.8
  circle w1.6: c3,47 r0.8
  circle w1.6: c3,3 r0.8

## Text inside footprints (layer, text, board x,y; h text height)
P1: Top Overlay "1" at 18.953,6.441 h1.27
P3: Top Overlay "1" at 4.371,28.389 h1.52 r90
P5: Mechanical 13 "PCB EDGE" at 20.5,49.75 h0.41 r180